# KiCad board FrontEnd_5G.kicad_pcb (continued)
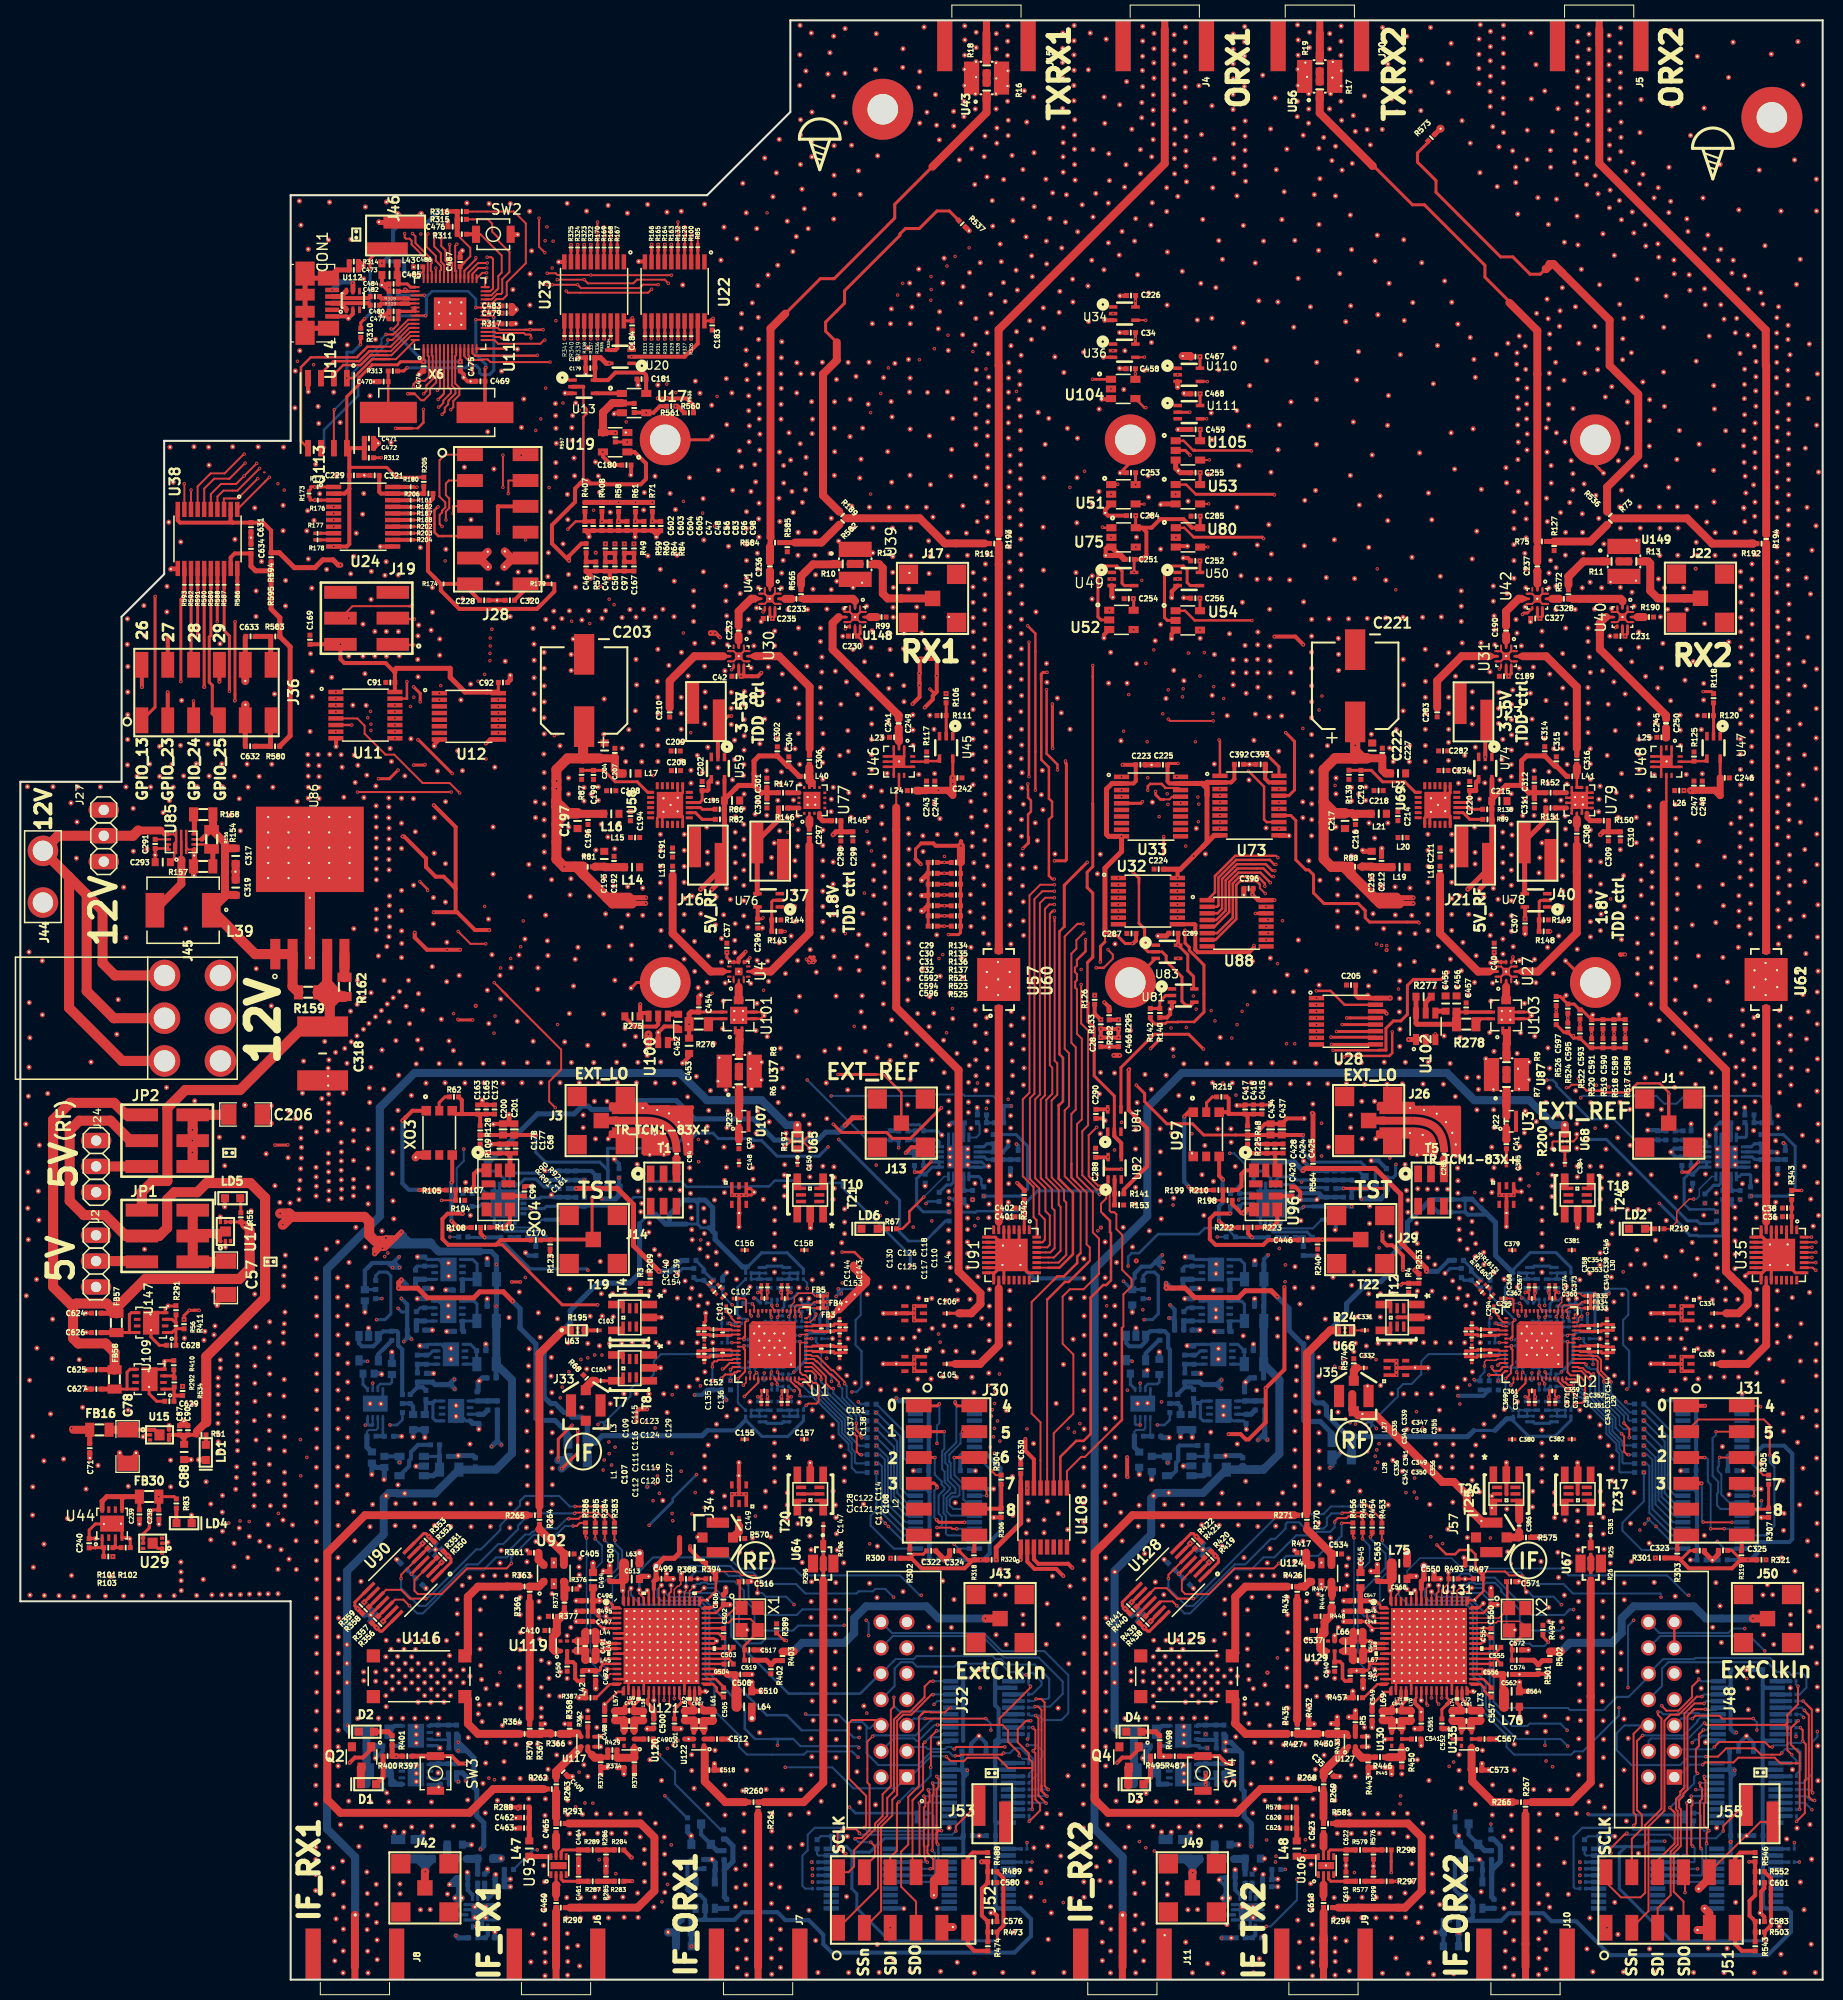
[diagram p0: board, top side]
## Placement (name value [footprint] x y rotation side) (continued)
R560  0R_0402  [SMD0402]  63.98 154.65 0 top
R561  0R_0402_NF  [SMD0402]  65.72 154.01 180 top
R562  0R_0402  [SMD0402]  113 56.18 270 bottom
R563  0R_0402_NF  [SMD0402]  113 57.08 90 bottom
R564  NF_39R_0402  [SMD0402]  127.07 80.19 90 top
R565  0R_0402_NF  [SMD0402]  76.74 136.17 270 top
R566  19K6_0402  [SMD0402]  121.39 56.43 270 bottom
R567  34K8_0402  [SMD0402]  120.49 55.12 270 bottom
R568  0R_0402  [SMD0402]  110.37 67.38 270 bottom
R569  0R_0402_NF  [SMD0402]  110.37 68.28 90 bottom
R570  NF_49.9R_0402_ERJ-U02F49R9X  [SMD0402]  70.76 43.36 180 top
R571  0R_0402  [SMD0402]  122.33 56.44 270 bottom
R572  0R_0402_NF  [SMD0402]  152.18 136.16 270 top
R573  49.9R_0402_ERJ-U02F49R9X  [SMD0402]  138.71 181.05 225 top
R574  49.9R_0402_ERJ-U02F49R9X  [SMD0402]  131.08 60.58 270 top
R575  49.9R_0402_ERJ-U02F49R9X  [SMD0402]  148.01 43.47 180 top
R576  10K_0402  [SMD0402]  133.01 12.3 270 top
R577  0R_0402  [SMD0402]  131.7 9.67 180 top
R578  0R_0402  [SMD0402]  124.97 16.95 0 top
R579  0R_0402  [SMD0402]  131.7 12.75 180 top
R580  0R_0402  [SMD0402]  25.04 121.23 0 top
R581  0R_0402_NF  [SMD0402]  128.55 15.35 0 top
R582  0R_0402_NF  [SMD0402]  80.83 143.33 225 top
R583  0R_0402  [SMD0402]  25.06 132.02 180 top
R584  0R_0402_NF  [SMD0402]  74.19 141.25 180 top
R585  0R_0402_NF  [SMD0402]  75.39 140.8 90 top
R586  0R_0402  [SMD0201]  21.34 137.11 270 top
R587  0R_0402  [SMD0201]  20.03 137.1 270 top
R588  0R_0402  [SMD0201]  19.38 137.1 270 top
R589  0R_0402  [SMD0201]  18.73 137.1 270 top
R590  0R_0402  [SMD0201]  18.07 137.1 270 top
R591  0R_0402  [SMD0201]  17.43 137.1 270 top
R592  0R_0402  [SMD0201]  16.78 137.1 270 top
R593  0R_0402  [SMD0201]  16.12 137.1 270 top
R594  0RNF_0402  [SMD0402]  24.65 139.8 270 top
R595  0R_0402  [SMD0402]  24.65 138.03 90 top
Ref**  Val**  [VIA_600_400]  71.72 68.08 0 top
Ref**#2  Val**  [VIA_600_400]  76.54 68.02 180 top
Ref**#3  Val**  [VIA_600_400]  66.53 62.61 0 top
Ref**#4  Val**  [VIA_600_400]  67.29 59.74 0 top
Ref**#5  Val**  [VIA_600_400]  66.57 59.01 0 top
Ref**#6  Val**  [VIA_600_400]  65.06 62.61 0 top
Ref**#7  Val**  [VIA_600_400]  62.94 60.13 0 top
Ref**#8  Val**  [VIA_600_400]  63.01 65.1 0 top
Ref**#9  Val**  [VIA_600_400#2]  72.13 63.61 0 top
Ref**#10  Val**  [VIA_600_400]  76.55 56.74 180 top
Ref**#11  Val**  [VIA_600_400]  79.84 63.01 180 top
Ref**#12  Val**  [VIA_600_400]  84.84 65.49 180 top
Ref**#13  Val**  [VIA_600_400]  84.83 60.53 180 top
Ref**#14  Val**  [VIA_600_400]  61.8 57.57 90 top
Ref**#15  Val**  [VIA_600_400]  63.25 57.57 90 top
Ref**#16  Val**  [VIA_600_400]  65.75 58.28 90 top
Ref**#17  Val**  [VIA_600_400]  64.51 58.26 90 top
Ref**#18  Val**  [VIA_600_400]  68.06 62.61 0 top
Ref**#19  Val**  [VIA_600_400]  62.49 62.62 90 top
Ref**#20  Val**  [VIA_600_400]  63.76 62.62 90 top
Ref**#21  Val**  [VIA_600_400]  64.59 66.99 90 top
Ref**#22  Val**  [VIA_600_400]  65.83 66.97 90 top
Ref**#23  Val**  [VIA_600_400]  63.33 67.68 90 top
Ref**#24  Val**  [VIA_600_400]  61.88 67.68 90 top
Ref**#25  Val**  [VIA_600_400]  66.65 66.24 0 top
Ref**#26  Val**  [VIA_600_400]  67.37 65.52 0 top
Ref**#27  Val**  [VIA_600_400]  70.41 68.84 0 top
Ref**#28  Val**  [VIA_600_400]  69.44 69.5 0 top
Ref**#29  Val**  [VIA_600_400]  68.41 71.49 0 top
Ref**#30  Val**  [VIA_600_400]  67.61 72.33 0 top
Ref**#31  Val**  [VIA_600_400]  68.43 70.29 0 top
Ref**#32  Val**  [VIA_600_400]  74.13 69.53 0 top
Ref**#33  Val**  [VIA_600_400]  74.13 70.8 0 top
Ref**#34  Val**  [VIA_600_400]  74.13 72.07 0 top
Ref**#35  Val**  [VIA_600_400]  77.85 68.78 180 top
Ref**#36  Val**  [VIA_600_400]  78.82 69.44 180 top
Ref**#37  Val**  [VIA_600_400]  74.13 52.75 180 top
Ref**#38  Val**  [VIA_600_400]  74.13 54.02 180 top
Ref**#39  Val**  [VIA_600_400]  74.13 55.29 180 top
Ref**#40  Val**  [VIA_600_400]  79.84 54.53 180 top
Ref**#41  Val**  [VIA_600_400]  79.86 53.33 180 top
Ref**#42  Val**  [VIA_600_400]  78.82 55.33 180 top
Ref**#43  Val**  [VIA_600_400]  77.85 55.98 180 top
Ref**#44  Val**  [VIA_600_400]  71.72 56.8 0 top
Ref**#45  Val**  [VIA_600_400]  80.53 60.11 180 top
Ref**#46  Val**  [VIA_600_400]  81.25 59.38 180 top
Ref**#47  Val**  [VIA_600_400]  86.01 57.99 270 top
Ref**#48  Val**  [VIA_600_400]  84.57 57.97 270 top
Ref**#49  Val**  [VIA_600_400]  82.07 58.65 270 top
Ref**#50  Val**  [VIA_600_400]  83.31 58.63 270 top
Ref**#51  Val**  [VIA_600_400]  84.14 63.01 270 top
Ref**#52  Val**  [VIA_600_400]  85.41 63.01 270 top
Ref**#53  Val**  [VIA_600_400]  83.26 67.37 270 top
Ref**#54  Val**  [VIA_600_400]  82.02 67.34 270 top
Ref**#55  Val**  [VIA_600_400]  84.52 68.05 270 top
Ref**#56  Val**  [VIA_600_400]  85.97 68.05 270 top
Ref**#57  Val**  [VIA_600_400]  82.84 63.01 180 top
Ref**#58  Val**  [VIA_600_400]  81.2 66.62 180 top
Ref**#59  Val**  [VIA_600_400]  80.48 65.89 180 top
Ref**#60  Val**  [VIA_600_400]  81.36 63.01 180 top
Ref**#61  Val**  [VIA_600_400]  67.57 66.49 0 top
Ref**#62  Val**  [VIA_600_400]  66.83 67.24 0 top
Ref**#63  Val**  [VIA_600_400]  66.01 67.97 90 top
Ref**#64  Val**  [VIA_600_400]  63.54 70.38 90 top
Ref**#65  Val**  [VIA_600_400]  64.61 69.43 0 top
Ref**#66  Val**  [VIA_600_400]  65.35 68.68 0 top
Ref**#67  Val**  [VIA_600_400]  62.82 71.22 0 top
Ref**#68  Val**  [VIA_600_400]  62.34 71.75 0 top
Ref**#69  Val**  [VIA_600_400#2]  61.65 72.61 90 top
Ref**#70  Val**  [VIA_600_400]  66.05 72.72 0 top
Ref**#71  Val**  [VIA_600_400]  67.57 71.05 0 top
Ref**#72  Val**  [VIA_600_400]  66.8 71.82 90 top
Ref**#73  Val**  [VIA_600_400]  77.52 66.94 180 top
Ref**#74  Val**  [VIA_600_400]  76.73 66.87 180 top
Ref**#75  Val**  [VIA_600_400]  86.08 65.49 180 top
Ref**#76  Val**  [VIA_600_400]  86.1 60.54 270 top
Ref**#77  Val**  [VIA_600_400]  61.13 29.36 0 top
Ref**#78  Val**  [VIA_600_400]  60.37 29.36 0 top
Ref**#79  Val**  [VIA_600_400]  59.6 29.36 0 top
Ref**#80  Val**  [VIA_600_400]  63.41 29.36 0 top
Ref**#81  Val**  [VIA_600_400]  62.65 29.36 0 top
Ref**#82  Val**  [VIA_600_400]  61.88 29.36 0 top
Ref**#83  Val**  [VIA_600_400]  65.69 29.36 0 top
Ref**#84  Val**  [VIA_600_400]  64.93 29.36 0 top
Ref**#85  Val**  [VIA_600_400]  64.16 29.36 0 top
Ref**#86  Val**  [VIA_600_400]  66.45 29.36 0 top
Ref**#87  Val**  [VIA_600_400]  68.48 30.25 0 top
Ref**#88  Val**  [VIA_600_400]  68.44 33.29 0 top
Ref**#89  Val**  [VIA_600_400]  62.26 23.01 0 top
Ref**#90  Val**  [VIA_600_400]  58.71 23.62 0 top
Ref**#91  Val**  [VIA_600_400]  57.43 24.79 0 top
Ref**#92  Val**  [VIA_600_400]  54.95 27.71 0 top
Ref**#93  Val**  [VIA_600_400]  55.54 28.27 0 top
Ref**#94  Val**  [VIA_600_400]  56.56 28.63 0 top
Ref**#95  Val**  [VIA_600_400]  53.75 29.61 0 top
Ref**#96  Val**  [VIA_600_400]  53.11 30.25 0 top
Ref**#97  Val**  [VIA_600_400]  60.36 20.22 0 top
Ref**#98  Val**  [VIA_600_400]  57.69 20.85 0 top
Ref**#99  Val**  [VIA_600_400]  57.05 20.22 0 top
Ref**#100  Val**  [VIA_600_400]  58.7 20.85 0 top
Ref**#101  Val**  [VIA_600_400]  59.34 20.21 0 top
Ref**#102  Val**  [VIA_600_400]  55.78 26.44 0 top
Ref**#103  Val**  [VIA_600_400]  55.15 25.81 0 top
Ref**#104  Val**  [VIA_600_400]  54.01 25.81 0 top
Ref**#105  Val**  [VIA_600_400]  53.52 25.14 0 top
Ref**#106  Val**  [VIA_600_400]  57.44 27.06 0 top
Ref**#107  Val**  [VIA_600_400]  62.27 27.45 0 top
Ref**#108  Val**  [VIA_600_400]  68.87 20.6 0 top
Ref**#109  Val**  [VIA_600_400]  68.23 21.23 0 top
Ref**#110  Val**  [VIA_600_400]  62.27 26.31 0 top
Ref**#111  Val**  [VIA_600_400]  69.63 23.65 0 top
Ref**#112  Val**  [VIA_600_400]  65.69 23.65 0 top
Ref**#113  Val**  [VIA_600_400]  64.93 24.66 0 top
Ref**#114  Val**  [VIA_600_400]  61.62 24.66 0 top
Ref**#115  Val**  [VIA_600_400]  72.8 28.35 0 top
Ref**#116  Val**  [VIA_600_400]  71.91 29.24 0 top
Ref**#117  Val**  [VIA_600_400]  71.91 30 0 top
Ref**#118  Val**  [VIA_600_400]  57.05 23.9 0 top
Ref**#119  Val**  [VIA_600_400]  57.05 22.89 0 top
Ref**#120  Val**  [VIA_600_400]  54.26 19.96 0 top
Ref**#121  Val**  [VIA_600_400]  51.56 25.15 0 top
Ref**#122  Val**  [VIA_600_400]  51.21 25.81 0 top
Ref**#123  Val**  [VIA_600_400]  49.81 42.19 0 top
Ref**#124  Val**  [VIA_600_400]  55.02 41.43 0 top
Ref**#125  Val**  [VIA_600_400]  52.44 40.99 0 top
Ref**#126  Val**  [VIA_600_400]  52.45 38.88 0 top
Ref**#127  Val**  [VIA_600_400]  54.91 40.56 0 top
Ref**#128  Val**  [VIA_600_400]  54.95 39.78 0 top
Ref**#129  Val**  [VIA_600_400]  54.98 38.68 0 top
Ref**#130  Val**  [VIA_600_400]  54.64 37.24 0 top
Ref**#131  Val**  [VIA_600_400]  54.64 36.22 0 top
Ref**#132  Val**  [VIA_600_400]  54.64 35.2 0 top
Ref**#133  Val**  [VIA_600_400]  50.99 37.17 0 top
Ref**#134  Val**  [VIA_600_400]  51.02 35.55 0 top
Ref**#135  Val**  [VIA_600_400]  51.06 33.47 0 top
Ref**#136  Val**  [VIA_600_400]  51.21 31.39 0 top
Ref**#137  Val**  [VIA_600_400]  51.97 31.14 0 top
Ref**#138  Val**  [VIA_600_400]  54.11 34.62 0 top
Ref**#139  Val**  [VIA_600_400]  56.3 40.94 0 top
Ref**#140  Val**  [VIA_600_400]  57.94 40.7 0 top
Ref**#141  Val**  [VIA_600_400]  57.31 40.16 0 top
Ref**#142  Val**  [VIA_600_400]  53.75 33.81 0 top
Ref**#143  Val**  [VIA_600_400]  53.04 27.85 0 top
Ref**#144  Val**  [VIA_600_400]  66.44 30.12 0 top
Ref**#145  Val**  [VIA_600_400]  51.97 27.92 0 top
Ref**#146  Val**  [VIA_600_400]  65.68 30.12 0 top
Ref**#147  Val**  [VIA_600_400]  51.21 28.73 0 top
Ref**#148  Val**  [VIA_600_400]  64.92 30.12 0 top
Ref**#149  Val**  [VIA_600_400]  51.97 29.62 0 top
Ref**#150  Val**  [VIA_600_400]  64.15 30.12 0 top
Ref**#151  Val**  [VIA_600_400]  51.21 26.69 0 top
Ref**#152  Val**  [VIA_600_400]  63.4 30.12 0 top
Ref**#153  Val**  [VIA_600_400]  62.64 30.12 0 top
Ref**#154  Val**  [VIA_600_400]  61.87 30.12 0 top
Ref**#155  Val**  [VIA_600_400]  61.12 30.12 0 top
Ref**#156  Val**  [VIA_600_400]  60.36 30.12 0 top
Ref**#157  Val**  [VIA_600_400]  59.59 30.12 0 top
Ref**#158  Val**  [VIA_600_400]  66.44 30.89 0 top
Ref**#159  Val**  [VIA_600_400]  65.68 30.89 0 top
Ref**#160  Val**  [VIA_600_400]  64.92 30.89 0 top
Ref**#161  Val**  [VIA_600_400]  64.15 30.89 0 top
Ref**#162  Val**  [VIA_600_400]  63.4 30.89 0 top
Ref**#163  Val**  [VIA_600_400]  62.64 30.89 0 top
Ref**#164  Val**  [VIA_600_400]  61.87 30.89 0 top
Ref**#165  Val**  [VIA_600_400]  61.12 30.89 0 top
Ref**#166  Val**  [VIA_600_400]  60.36 30.89 0 top
Ref**#167  Val**  [VIA_600_400]  59.59 30.89 0 top
Ref**#168  Val**  [VIA_600_400]  66.44 31.65 0 top
Ref**#169  Val**  [VIA_600_400]  65.68 31.65 0 top
Ref**#170  Val**  [VIA_600_400]  64.92 31.65 0 top
Ref**#171  Val**  [VIA_600_400]  64.15 31.65 0 top
Ref**#172  Val**  [VIA_600_400]  63.4 31.65 0 top
Ref**#173  Val**  [VIA_600_400]  62.64 31.65 0 top
Ref**#174  Val**  [VIA_600_400]  61.87 31.65 0 top
Ref**#175  Val**  [VIA_600_400]  61.12 31.65 0 top
Ref**#176  Val**  [VIA_600_400]  60.36 31.65 0 top
Ref**#177  Val**  [VIA_600_400]  59.59 31.65 0 top
Ref**#178  Val**  [VIA_600_400]  45.47 39.69 0 top
Ref**#179  Val**  [VIA_600_400]  66.45 32.41 0 top
Ref**#180  Val**  [VIA_600_400]  46.64 39.71 0 top
Ref**#181  Val**  [VIA_600_400]  65.69 32.41 0 top
Ref**#182  Val**  [VIA_600_400]  47.79 39.71 0 top
Ref**#183  Val**  [VIA_600_400]  64.93 32.41 0 top
Ref**#184  Val**  [VIA_600_400]  50.16 39.67 0 top
Ref**#185  Val**  [VIA_600_400]  64.16 32.41 0 top
Ref**#186  Val**  [VIA_600_400]  49.8 41.07 0 top
Ref**#187  Val**  [VIA_600_400]  63.41 32.41 0 top
Ref**#188  Val**  [VIA_600_400]  47.15 40.95 0 top
Ref**#189  Val**  [VIA_600_400]  62.65 32.41 0 top
Ref**#190  Val**  [VIA_600_400]  47.27 42.19 0 top
Ref**#191  Val**  [VIA_600_400]  61.88 32.41 0 top
Ref**#192  Val**  [VIA_600_400]  48.12 44.42 0 top
Ref**#193  Val**  [VIA_600_400]  61.13 32.41 0 top
Ref**#194  Val**  [VIA_600_400]  40.8 42.27 0 top
Ref**#195  Val**  [VIA_600_400]  60.37 32.41 0 top
Ref**#196  Val**  [VIA_600_400]  39.88 38.46 0 top
Ref**#197  Val**  [VIA_600_400]  59.6 32.41 0 top
Ref**#198  Val**  [VIA_600_400]  56.67 24.79 0 top
Ref**#199  Val**  [VIA_600_400]  66.44 33.17 0 top
Ref**#200  Val**  [VIA_600_400]  55.4 21.11 0 top
Ref**#201  Val**  [VIA_600_400]  65.68 33.17 0 top
Ref**#202  Val**  [VIA_600_400]  55.78 19.97 0 top
Ref**#203  Val**  [VIA_600_400]  64.92 33.17 0 top
Ref**#204  Val**  [VIA_600_400]  61.88 21.61 0 top
Ref**#205  Val**  [VIA_600_400]  64.15 33.17 0 top
Ref**#206  Val**  [VIA_600_400]  63.03 19.58 0 top
Ref**#207  Val**  [VIA_600_400]  63.4 33.17 0 top
Ref**#208  Val**  [VIA_600_400]  66 20.55 0 top
Ref**#209  Val**  [VIA_600_400]  62.64 33.17 0 top
Ref**#210  Val**  [VIA_600_400]  65.99 22.11 0 top
Ref**#211  Val**  [VIA_600_400]  61.87 33.17 0 top
Ref**#212  Val**  [VIA_600_400]  54.04 23.28 0 top
Ref**#213  Val**  [VIA_600_400]  61.12 33.17 0 top
Ref**#214  Val**  [VIA_600_400]  52.78 23.22 0 top
Ref**#215  Val**  [VIA_600_400]  60.36 33.17 0 top
Ref**#216  Val**  [VIA_600_400]  50.84 23.15 0 top
Ref**#217  Val**  [VIA_600_400]  59.59 33.17 0 top
Ref**#218  Val**  [VIA_600_400]  52.72 22.08 0 top
Ref**#219  Val**  [VIA_600_400]  66.44 33.93 0 top
Ref**#220  Val**  [VIA_600_400]  51.87 20.68 0 top
Ref**#221  Val**  [VIA_600_400]  65.68 33.93 0 top
Ref**#222  Val**  [VIA_600_400]  51.69 19.79 0 top
Ref**#223  Val**  [VIA_600_400]  64.92 33.93 0 top
Ref**#224  Val**  [VIA_600_400]  50.3 19.72 0 top
Ref**#225  Val**  [VIA_600_400]  64.15 33.93 0 top
Ref**#226  Val**  [VIA_600_400]  47.53 19.77 0 top
Ref**#227  Val**  [VIA_600_400]  63.4 33.93 0 top
Ref**#228  Val**  [VIA_600_400]  49.13 19.77 0 top
Ref**#229  Val**  [VIA_600_400]  62.64 33.93 0 top
Ref**#230  Val**  [VIA_600_400]  47.55 21.43 0 top
Ref**#231  Val**  [VIA_600_400]  61.87 33.93 0 top
Ref**#232  Val**  [VIA_600_400]  49.95 23.13 0 top
Ref**#233  Val**  [VIA_600_400]  61.12 33.93 0 top
Ref**#234  Val**  [VIA_600_400]  67.34 28.35 0 top
Ref**#235  Val**  [VIA_600_400]  60.36 33.93 0 top
Ref**#236  Val**  [VIA_600_400]  69.27 19.14 0 top
Ref**#237  Val**  [VIA_600_400]  59.59 33.93 0 top
Ref**#238  Val**  [VIA_600_400]  66.44 34.7 0 top
Ref**#239  Val**  [VIA_600_400]  72.67 24.28 0 top
Ref**#240  Val**  [VIA_600_400]  65.68 34.7 0 top
Ref**#241  Val**  [VIA_600_400]  71.41 23.14 0 top
Ref**#242  Val**  [VIA_600_400]  64.92 34.7 0 top
Ref**#243  Val**  [VIA_600_400]  68.29 22.54 0 top
Ref**#244  Val**  [VIA_600_400]  64.15 34.7 0 top
Ref**#245  Val**  [VIA_600_400]  63.4 34.7 0 top
Ref**#246  Val**  [VIA_600_400]  71.02 18.57 0 top
Ref**#247  Val**  [VIA_600_400]  62.64 34.7 0 top
Ref**#248  Val**  [VIA_600_400]  73.31 18.69 0 top
Ref**#249  Val**  [VIA_600_400]  61.87 34.7 0 top
Ref**#250  Val**  [VIA_600_400]  61.12 34.7 0 top
Ref**#251  Val**  [VIA_600_400]  60.36 34.7 0 top
Ref**#252  Val**  [VIA_600_400]  59.59 34.7 0 top
Ref**#253  Val**  [VIA_600_400]  66.44 35.46 0 top
Ref**#254  Val**  [VIA_600_400]  65.68 35.46 0 top
Ref**#255  Val**  [VIA_600_400]  64.92 35.46 0 top
Ref**#256  Val**  [VIA_600_400]  64.15 35.46 0 top
Ref**#257  Val**  [VIA_600_400]  63.4 35.46 0 top
Ref**#258  Val**  [VIA_600_400]  62.64 35.46 0 top
Ref**#259  Val**  [VIA_600_400]  61.87 35.46 0 top
Ref**#260  Val**  [VIA_600_400]  61.12 35.46 0 top
Ref**#261  Val**  [VIA_600_400]  60.36 35.46 0 top
Ref**#262  Val**  [VIA_600_400]  59.59 35.46 0 top
Ref**#263  Val**  [VIA_600_400]  66.44 36.22 0 top
Ref**#264  Val**  [VIA_600_400]  65.68 36.22 0 top
Ref**#265  Val**  [VIA_600_400]  64.92 36.22 0 top
Ref**#266  Val**  [VIA_600_400]  64.15 36.22 0 top
Ref**#267  Val**  [VIA_600_400]  63.4 36.22 0 top
Ref**#268  Val**  [VIA_600_400]  62.64 36.22 0 top
Ref**#269  Val**  [VIA_600_400]  61.87 36.22 0 top
Ref**#270  Val**  [VIA_600_400]  61.12 36.22 0 top
Ref**#271  Val**  [VIA_600_400]  60.36 36.22 0 top
Ref**#272  Val**  [VIA_600_400]  59.59 36.22 0 top
Ref**#273  Val**  [VIA_600_400]  57.4 34.49 0 top
Ref**#274  Val**  [VIA_600_400]  59.21 38.25 0 top
Ref**#275  Val**  [VIA_600_400]  61.63 38.25 0 top
Ref**#276  Val**  [VIA_600_400]  63.97 38.76 0 top
Ref**#277  Val**  [VIA_600_400]  68.36 36.98 0 top
Ref**#278  Val**  [VIA_600_400#3]  62.5 40.66 0 top
Ref**#279  Val**  [VIA_600_400]  66.58 39.4 0 top
Ref**#280  Val**  [VIA_600_400]  69.34 38.51 0 top
Ref**#281  Val**  [VIA_600_400]  57.65 29.74 0 top
Ref**#282  Val**  [VIA_600_400]  57.69 30.51 0 top
Ref**#283  Val**  [VIA_600_400]  57.56 35.71 0 top
Ref**#284  Val**  [VIA_600_400]  57.62 36.54 0 top
Ref**#285  Val**  [VIA_600_400]  60.03 38.46 0 top
Ref**#286  Val**  [VIA_600_400]  60.83 38.31 0 top
Ref**#287  Val**  [VIA_600_400]  63.27 38.13 0 top
Ref**#288  Val**  [VIA_600_400]  63.02 38.76 0 top
Ref**#289  Val**  [VIA_600_400]  61.76 39.64 0 top
Ref**#290  Val**  [VIA_600_400#3]  60.88 41.93 0 top
Ref**#291  Val**  [VIA_600_400]  64.18 39.39 0 top
Ref**#292  Val**  [VIA_600_400]  64.97 39.91 0 top
Ref**#293  Val**  [VIA_600_400]  64.8 38.13 0 top
Ref**#294  Val**  [VIA_600_400]  65.44 38.63 0 top
Ref**#295  Val**  [VIA_600_400]  66.2 38.63 0 top
Ref**#296  Val**  [VIA_600_400]  67.22 38.51 0 top
Ref**#297  Val**  [VIA_600_400]  69.75 36.86 0 top
Ref**#298  Val**  [VIA_600_400]  72.46 38.01 0 top
Ref**#299  Val**  [VIA_600_400]  71.84 39.14 0 top
Ref**#300  Val**  [VIA_600_400]  72.81 32.41 0 top
Ref**#301  Val**  [VIA_600_400]  71.42 34.39 0 top
Ref**#302  Val**  [VIA_600_400]  55.91 30.38 0 top
Ref**#303  Val**  [VIA_600_400]  56.93 36.22 0 top
Ref**#304  Val**  [VIA_600_400]  63.53 39.89 0 top
Ref**#305  Val**  [VIA_600_400]  70.68 42.01 0 top
Ref**#306  Val**  [VIA_600_400]  66.59 43.5 0 top
Ref**#307  Val**  [VIA_600_400]  56.93 37.24 0 top
Ref**#308  Val**  [VIA_600_400]  133.39 40.8 0 top
Ref**#309  Val**  [VIA_600_400]  132.76 40.16 0 top
Ref**#310  Val**  [VIA_600_400#3]  136.32 41.94 0 top
Ref**#311  Val**  [VIA_600_400]  135.49 38.37 0 top
Ref**#312  Val**  [VIA_600_400]  137.21 39.65 0 top
Ref**#313  Val**  [VIA_600_400]  136.31 38.38 0 top
Ref**#314  Val**  [VIA_600_400]  131.74 41.17 0 top
Ref**#315  Val**  [VIA_600_400]  137.07 38.25 0 top
Ref**#316  Val**  [VIA_600_400]  134.67 38.25 0 top
Ref**#317  Val**  [VIA_600_400]  138.47 38.76 0 top
Ref**#318  Val**  [VIA_600_400]  138.72 38.13 0 top
Ref**#319  Val**  [VIA_600_400]  139.62 39.39 0 top
Ref**#320  Val**  [VIA_600_400]  139.41 38.75 0 top
Ref**#321  Val**  [VIA_600_400]  140.25 38.13 0 top
Ref**#322  Val**  [VIA_600_400]  140.88 38.63 0 top
Ref**#323  Val**  [VIA_600_400]  141.65 38.63 0 top
Ref**#324  Val**  [VIA_600_400]  142.67 38.51 0 top
Ref**#325  Val**  [VIA_600_400]  142.03 39.39 0 top
Ref**#326  Val**  [VIA_600_400]  138.98 40.03 0 top
Ref**#327  Val**  [VIA_600_400]  141.9 41.47 0 top
Ref**#328  Val**  [VIA_600_400]  140.38 40.03 0 top
Ref**#329  Val**  [VIA_600_400]  148.04 38.12 0 top
Ref**#330  Val**  [VIA_600_400]  143.81 36.98 0 top
Ref**#331  Val**  [VIA_600_400]  145.21 36.85 0 top
Ref**#332  Val**  [VIA_600_400]  144.57 38.5 0 top
Ref**#333  Val**  [VIA_600_400]  147.29 39.15 0 top
Ref**#334  Val**  [VIA_600_400]  146.89 34.38 0 top
Ref**#335  Val**  [VIA_600_400]  147.37 30 0 top
Ref**#336  Val**  [VIA_600_400]  148.25 32.41 0 top
Ref**#337  Val**  [VIA_600_400]  147.36 29.24 0 top
Ref**#338  Val**  [VIA_600_400]  148.25 28.35 0 top
Ref**#339  Val**  [VIA_600_400#3]  147.37 25.69 0 top
Ref**#340  Val**  [VIA_600_400#3]  71.91 25.69 0 top
Ref**#341  Val**  [VIA_600_400]  142.79 28.35 0 top
Ref**#342  Val**  [VIA_600_400#3]  137.97 40.67 0 top
Ref**#343  Val**  [VIA_600_400]  130.09 37.23 0 top
Ref**#344  Val**  [VIA_600_400]  130.09 36.22 0 top
Ref**#345  Val**  [VIA_600_400]  130.09 35.2 0 top
Ref**#346  Val**  [VIA_600_400]  132.63 37.23 0 top
Ref**#347  Val**  [VIA_600_400]  132.38 36.22 0 top
Ref**#348  Val**  [VIA_600_400]  133.06 36.49 0 top
Ref**#349  Val**  [VIA_600_400]  133.01 35.71 0 top
Ref**#350  Val**  [VIA_600_400]  132.87 34.38 0 top
Ref**#351  Val**  [VIA_600_400]  132 28.64 0 top
Ref**#352  Val**  [VIA_600_400]  131.36 30.37 0 top
Ref**#353  Val**  [VIA_600_400]  129.2 29.62 0 top
Ref**#354  Val**  [VIA_600_400]  128.57 30.25 0 top
Ref**#355  Val**  [VIA_600_400]  130.98 28.35 0 top
Ref**#356  Val**  [VIA_600_400]  130.34 27.71 0 top
Ref**#357  Val**  [VIA_600_400]  131.24 26.44 0 top
Ref**#358  Val**  [VIA_600_400]  130.59 25.81 0 top
Ref**#359  Val**  [VIA_600_400]  129.45 25.81 0 top
Ref**#360  Val**  [VIA_600_400]  128.86 25.17 0 top
Ref**#361  Val**  [VIA_600_400]  128.49 27.85 0 top
Ref**#362  Val**  [VIA_600_400]  127.43 27.84 0 top
Ref**#363  Val**  [VIA_600_400]  126.67 26.7 0 top
Ref**#364  Val**  [VIA_600_400]  126.66 25.81 0 top
Ref**#365  Val**  [VIA_600_400]  127.18 25.12 0 top
Ref**#366  Val**  [VIA_600_400]  132.88 24.79 0 top
Ref**#367  Val**  [VIA_600_400]  132.12 24.79 0 top
Ref**#368  Val**  [VIA_600_400]  127.42 29.62 0 top
Ref**#369  Val**  [VIA_600_400]  126.43 28.83 0 top
Ref**#370  Val**  [VIA_600_400]  126.48 31.43 0 top
Ref**#371  Val**  [VIA_600_400]  127.42 31.14 0 top
Ref**#372  Val**  [VIA_600_400]  124.45 25.22 0 top
Ref**#373  Val**  [VIA_600_400]  122.82 24.99 0 top
Ref**#374  Val**  [VIA_600_400]  124.55 28.82 0 top
Ref**#375  Val**  [VIA_600_400]  124.5 30.63 0 top
Ref**#376  Val**  [VIA_600_400]  124.55 32.43 0 top
Ref**#377  Val**  [VIA_600_400]  126.5 33.48 0 top
Ref**#378  Val**  [VIA_600_400]  129.2 33.81 0 top
Ref**#379  Val**  [VIA_600_400]  124.59 34.13 0 top
Ref**#380  Val**  [VIA_600_400]  126.45 35.47 0 top
Ref**#381  Val**  [VIA_600_400]  124.57 35.87 0 top
Ref**#382  Val**  [VIA_600_400]  129.56 34.63 0 top
Ref**#383  Val**  [VIA_600_400]  126.43 37.17 0 top
Ref**#384  Val**  [VIA_600_400]  127.89 38.88 0 top
Ref**#385  Val**  [VIA_600_400]  130.42 38.69 0 top
Ref**#386  Val**  [VIA_600_400]  130.4 39.78 0 top
Ref**#387  Val**  [VIA_600_400]  130.37 40.66 0 top
Ref**#388  Val**  [VIA_600_400]  130.56 41.43 0 top
Ref**#389  Val**  [VIA_600_400]  127.89 40.99 0 top
Ref**#390  Val**  [VIA_600_400]  148.12 24.29 0 top
Ref**#391  Val**  [VIA_600_400]  146.86 23.14 0 top
Ref**#392  Val**  [VIA_600_400]  146.85 20.6 0 top
Ref**#393  Val**  [VIA_600_400]  148.76 18.69 0 top
Ref**#394  Val**  [VIA_600_400]  146.47 18.57 0 top
Ref**#395  Val**  [VIA_600_400]  141.43 20.57 0 top
Ref**#396  Val**  [VIA_600_400]  141.43 22.11 0 top
Ref**#397  Val**  [VIA_600_400]  143.68 21.24 0 top
Ref**#398  Val**  [VIA_600_400]  144.32 20.6 0 top
Ref**#399  Val**  [VIA_600_400]  143.73 22.54 0 top
Ref**#400  Val**  [VIA_600_400]  145.08 23.65 0 top
Ref**#401  Val**  [VIA_600_400]  140.38 24.66 0 top
Ref**#402  Val**  [VIA_600_400]  141.14 23.65 0 top
Ref**#403  Val**  [VIA_600_400]  137.71 23.01 0 top
Ref**#404  Val**  [VIA_600_400]  137.33 21.61 0 top
Ref**#405  Val**  [VIA_600_400]  138.47 19.58 0 top
Ref**#406  Val**  [VIA_600_400]  135.8 20.22 0 top
Ref**#407  Val**  [VIA_600_400]  134.79 20.21 0 top
Ref**#408  Val**  [VIA_600_400]  132.5 20.22 0 top
Ref**#409  Val**  [VIA_600_400]  133.14 20.85 0 top
Ref**#410  Val**  [VIA_600_400]  134.15 20.85 0 top
Ref**#411  Val**  [VIA_600_400]  137.71 27.45 0 top
Ref**#412  Val**  [VIA_600_400]  137.08 24.66 0 top
Ref**#413  Val**  [VIA_600_400]  137.71 26.32 0 top
Ref**#414  Val**  [VIA_600_400]  134.17 23.62 0 top
Ref**#415  Val**  [VIA_600_400]  132.5 23.89 0 top
Ref**#416  Val**  [VIA_600_400]  132.5 22.89 0 top
Ref**#417  Val**  [VIA_600_400]  125.26 42.19 0 top
Ref**#418  Val**  [VIA_600_400]  125.24 41.09 0 top
Ref**#419  Val**  [VIA_600_400]  122.58 40.96 0 top
Ref**#420  Val**  [VIA_600_400]  122.84 42.37 0 top
Ref**#421  Val**  [VIA_600_400]  118.39 35.95 0 top
Ref**#422  Val**  [VIA_600_400]  119.81 46.76 0 top
Ref**#423  Val**  [VIA_600_400]  121.71 46.77 0 top
Ref**#424  Val**  [VIA_600_400]  123.62 46.76 0 top
Ref**#425  Val**  [VIA_600_400]  125.27 46.76 0 top
Ref**#426  Val**  [VIA_600_400]  124.57 37.59 0 top
Ref**#427  Val**  [VIA_600_400]  122.76 37.66 0 top
Ref**#428  Val**  [VIA_600_400]  121.07 37.59 0 top
Ref**#429  Val**  [VIA_600_400]  120.64 36.35 0 top
Ref**#430  Val**  [VIA_600_400]  126.07 43.1 0 top
Ref**#431  Val**  [VIA_600_400]  128.78 43.42 0 top
Ref**#432  Val**  [VIA_600_400]  120.68 33.93 0 top
Ref**#433  Val**  [VIA_600_400]  118.88 38.75 0 top
Ref**#434  Val**  [VIA_600_400]  120.62 32.49 0 top
Ref**#435  Val**  [VIA_600_400]  118.39 37.37 0 top
Ref**#436  Val**  [VIA_600_400]  120.68 30.88 0 top
Ref**#437  Val**  [VIA_600_400]  120.77 29.5 0 top
Ref**#438  Val**  [VIA_600_400]  118.4 34 0 top
Ref**#439  Val**  [VIA_600_400]  121.2 28.6 0 top
Ref**#440  Val**  [VIA_600_400]  122.34 28.98 0 top
Ref**#441  Val**  [VIA_600_400]  121.53 27.05 0 top
Ref**#442  Val**  [VIA_600_400]  122.64 27.13 0 top
Ref**#443  Val**  [VIA_600_400]  120.77 25.18 0 top
Ref**#444  Val**  [VIA_600_400]  124.17 23.09 0 top
Ref**#445  Val**  [VIA_600_400]  125.24 23.13 0 top
Ref**#446  Val**  [VIA_600_400]  122.94 21.38 0 top
Ref**#447  Val**  [VIA_600_400]  121.19 21.33 0 top
Ref**#448  Val**  [VIA_600_400]  126.27 23.12 0 top
Ref**#449  Val**  [VIA_600_400]  128.23 23.21 0 top
Ref**#450  Val**  [VIA_600_400]  129.5 23.29 0 top
Ref**#451  Val**  [VIA_600_400]  128.16 22.07 0 top
Ref**#452  Val**  [VIA_600_400]  127.13 19.79 0 top
Ref**#453  Val**  [VIA_600_400]  130.85 21.11 0 top
